# KiCad board FetsAndCrosses.kicad_pcb
title: Fets and Crosses; date: 2022-02-07; rev: v1.1; company: Philipp Schilk; note: Tic-Tac-Toe implementation from discrete-transistor CMOS logic; note: https://github.com/TheSchilk/Fets_and_Crosses
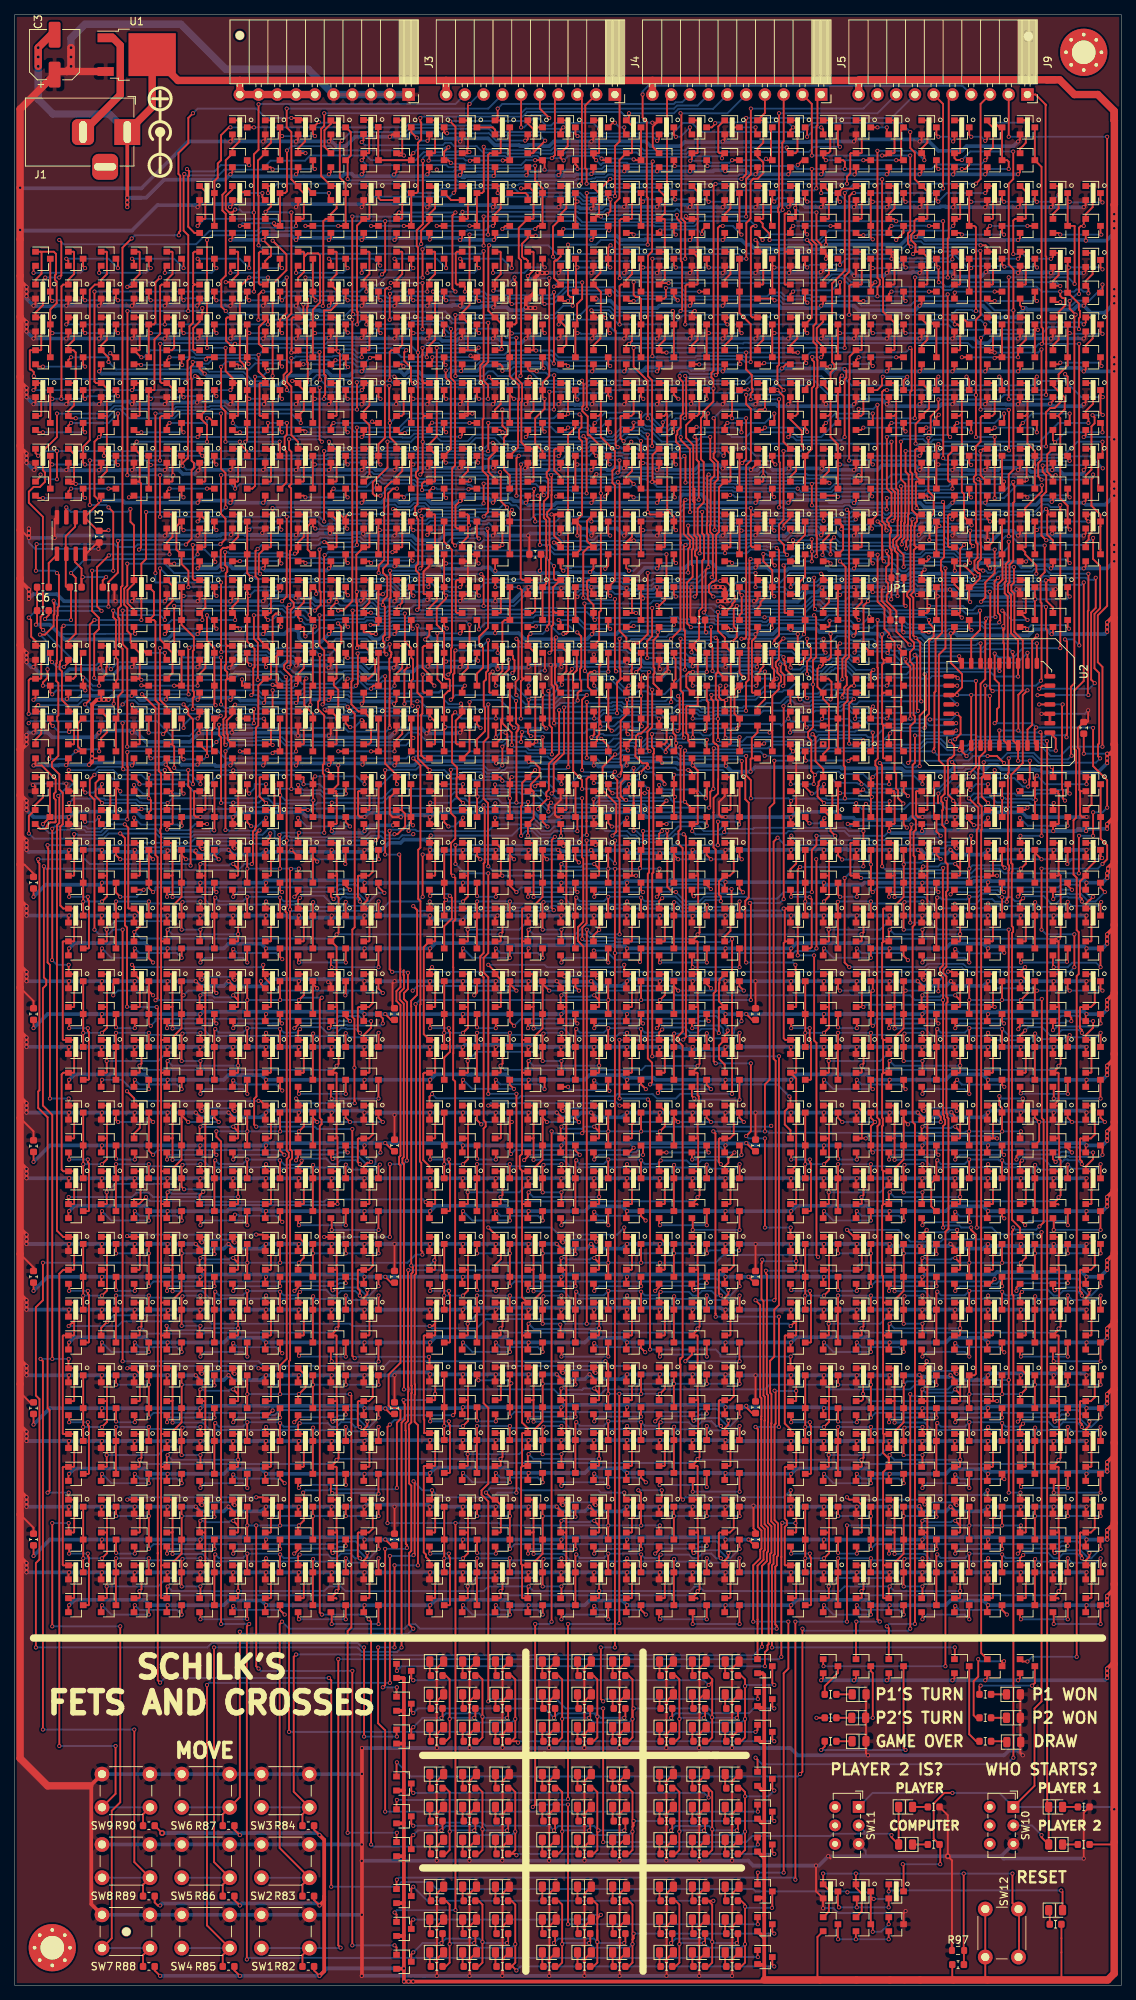
[diagram p0: board, top side]
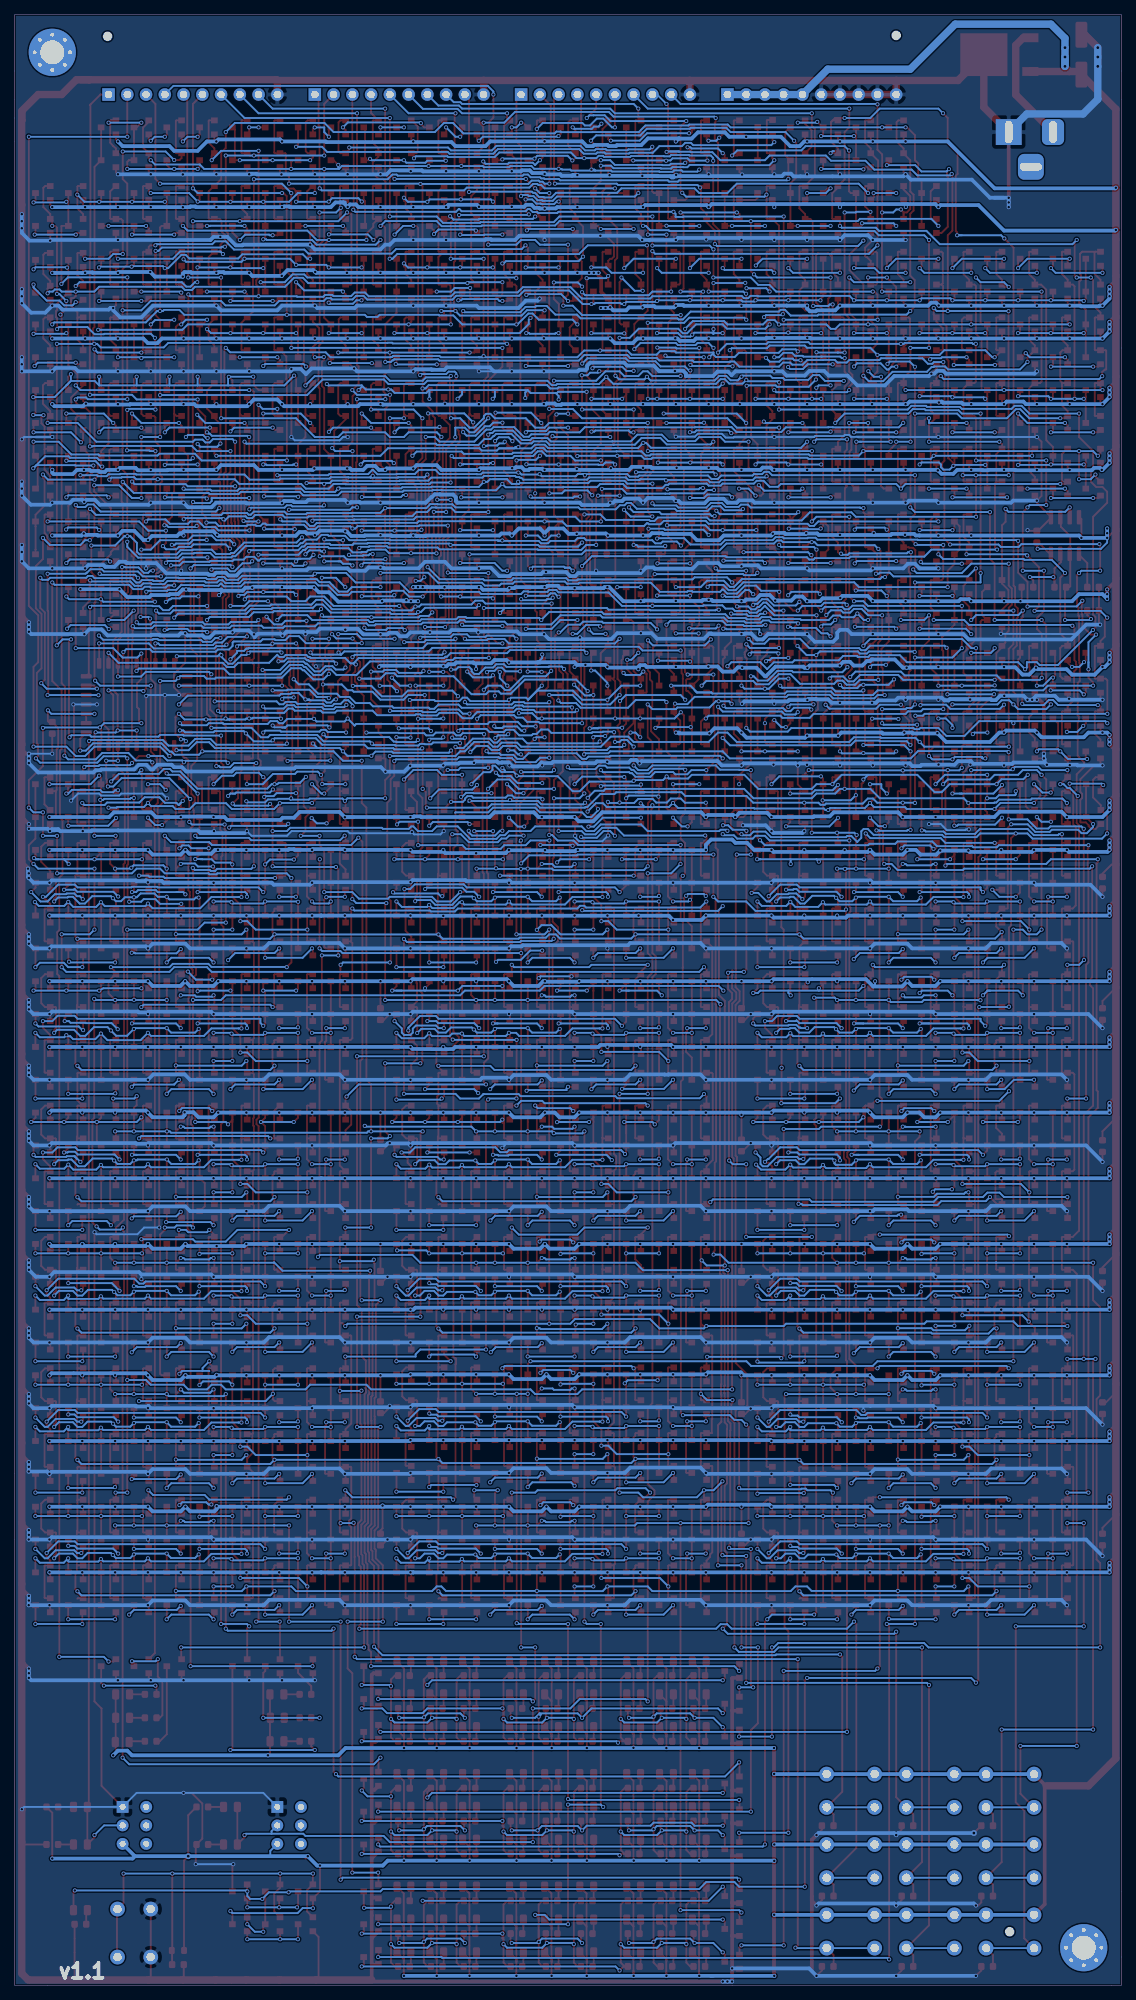
[diagram p1: board, bottom side, seen from below]

Outline 149.86 x 266.7 mm; copper layers: Top, Bottom. Coordinates in mm from the lower left corner of the outline.
Outline path: 0,266.7 0,0 149.86,0 149.86,266.7 0,266.7

## Placement (name value [footprint] x y rotation side)
C1  0u1  [C_0603_1608Metric_NOLBL]  127.76 2.79 180 top
C3  10u  [CP_Elec_6.3x7.7]  5.4 261.3 90 top
C5  0u1  [C_0603_1608Metric_NOLBL]  144.78 170.18 270 top
C6  10n  [C_0603_1608Metric]  3.81 189.23 180 top
C7  0u1  [C_0603_1608Metric_NOLBL]  11.43 196.06 90 top
C8  0u1  [C_0603_1608Metric_NOLBL]  3.81 186.06 180 top
C9  0u1  [C_0603_1608Metric_NOLBL]  100.33 113.66 270 top
C10  0u1  [C_0603_1608Metric_NOLBL]  2.54 131.44 270 top
C11  0u1  [C_0603_1608Metric_NOLBL]  2.54 95.88 270 top
C12  0u1  [C_0603_1608Metric_NOLBL]  51.44 131.44 270 top
C13  0u1  [C_0603_1608Metric_NOLBL]  2.54 113.57 270 top
C14  0u1  [C_0603_1608Metric_NOLBL]  51.44 78.1 270 top
C15  0u1  [C_0603_1608Metric_NOLBL]  51.44 113.66 270 top
C16  0u1  [C_0603_1608Metric_NOLBL]  51.44 95.88 270 top
C17  0u1  [C_0603_1608Metric_NOLBL]  2.54 78.1 270 top
C18  0u1  [C_0603_1608Metric_NOLBL]  100.33 60.32 270 top
C19  0u1  [C_0603_1608Metric_NOLBL]  51.44 60.32 270 top
C20  0u1  [C_0603_1608Metric_NOLBL]  2.54 60.32 270 top
C21  0u1  [C_0603_1608Metric_NOLBL]  92.71 184.78 0 top
C22  0u1  [C_0603_1608Metric_NOLBL]  70.48 193.67 0 top
C24  0u1  [C_0603_1608Metric_NOLBL]  119.38 184.78 0 top
C26  0u1  [C_0603_1608Metric_NOLBL]  2.54 149.22 270 top
C27  0u1  [C_0603_1608Metric_NOLBL]  100.33 95.88 270 top
C28  0u1  [C_0603_1608Metric_NOLBL]  100.33 78.23 270 top
C30  0u1  [C_0603_1608Metric_NOLBL]  100.33 131.44 270 top
D1  RED  [D_0805_2012Metric_NOLBL]  57.15 43.81 0 top
D2  GREEN  [D_0805_2012Metric_NOLBL]  57.15 39.37 0 top
D3  RED  [D_0805_2012Metric_NOLBL]  57.15 34.92 0 top
D4  GREEN  [D_0805_2012Metric_NOLBL]  61.59 43.81 0 top
D5  RED  [D_0805_2012Metric_NOLBL]  61.59 39.37 0 top
D6  GREEN  [D_0805_2012Metric_NOLBL]  61.59 34.92 0 top
D7  RED  [D_0805_2012Metric_NOLBL]  66.04 43.81 0 top
D8  GREEN  [D_0805_2012Metric_NOLBL]  66.04 39.37 0 top
D9  RED  [D_0805_2012Metric_NOLBL]  66.04 34.92 0 top
D10  RED  [D_0805_2012Metric_NOLBL]  72.39 43.81 0 top
D11  GREEN  [D_0805_2012Metric_NOLBL]  72.39 39.37 0 top
D12  RED  [D_0805_2012Metric_NOLBL]  72.39 34.92 0 top
D13  GREEN  [D_0805_2012Metric_NOLBL]  77.15 43.81 0 top
D14  RED  [D_0805_2012Metric_NOLBL]  77.15 39.37 0 top
D15  GREEN  [D_0805_2012Metric_NOLBL]  77.15 34.92 0 top
D16  RED  [D_0805_2012Metric_NOLBL]  81.92 43.81 0 top
D17  GREEN  [D_0805_2012Metric_NOLBL]  81.92 39.37 0 top
D18  RED  [D_0805_2012Metric_NOLBL]  81.92 34.92 0 top
D19  RED  [D_0805_2012Metric_NOLBL]  88.27 43.81 0 top
D20  GREEN  [D_0805_2012Metric_NOLBL]  88.27 39.37 0 top
D21  RED  [D_0805_2012Metric_NOLBL]  88.27 34.92 0 top
D22  GREEN  [D_0805_2012Metric_NOLBL]  92.71 43.81 0 top
D23  RED  [D_0805_2012Metric_NOLBL]  92.71 39.37 0 top
D24  GREEN  [D_0805_2012Metric_NOLBL]  92.71 34.92 0 top
D25  RED  [D_0805_2012Metric_NOLBL]  97.16 43.81 0 top
D26  GREEN  [D_0805_2012Metric_NOLBL]  97.16 39.37 0 top
D27  RED  [D_0805_2012Metric_NOLBL]  97.16 34.92 0 top
D28  RED  [D_0805_2012Metric_NOLBL]  57.15 28.57 0 top
D29  GREEN  [D_0805_2012Metric_NOLBL]  57.15 24.13 0 top
D30  RED  [D_0805_2012Metric_NOLBL]  57.15 19.68 0 top
D31  GREEN  [D_0805_2012Metric_NOLBL]  61.59 28.57 0 top
D32  RED  [D_0805_2012Metric_NOLBL]  61.59 24.13 0 top
D33  GREEN  [D_0805_2012Metric_NOLBL]  61.59 19.68 0 top
D34  RED  [D_0805_2012Metric_NOLBL]  66.04 28.57 0 top
D35  GREEN  [D_0805_2012Metric_NOLBL]  66.04 24.13 0 top
D36  RED  [D_0805_2012Metric_NOLBL]  66.04 19.68 0 top
D37  RED  [D_0805_2012Metric_NOLBL]  72.39 28.57 0 top
D38  GREEN  [D_0805_2012Metric_NOLBL]  72.39 24.13 0 top
D39  RED  [D_0805_2012Metric_NOLBL]  72.39 19.68 0 top
D40  GREEN  [D_0805_2012Metric_NOLBL]  77.15 28.57 0 top
D41  RED  [D_0805_2012Metric_NOLBL]  77.15 24.13 0 top
D42  GREEN  [D_0805_2012Metric_NOLBL]  77.15 19.68 0 top
D43  RED  [D_0805_2012Metric_NOLBL]  81.92 28.57 0 top
D44  GREEN  [D_0805_2012Metric_NOLBL]  81.92 24.13 0 top
D45  RED  [D_0805_2012Metric_NOLBL]  81.92 19.68 0 top
D46  RED  [D_0805_2012Metric_NOLBL]  88.27 28.57 0 top
D47  GREEN  [D_0805_2012Metric_NOLBL]  88.27 24.13 0 top
D48  RED  [D_0805_2012Metric_NOLBL]  88.27 19.68 0 top
D49  GREEN  [D_0805_2012Metric_NOLBL]  92.71 28.57 0 top
D50  RED  [D_0805_2012Metric_NOLBL]  92.71 24.13 0 top
D51  GREEN  [D_0805_2012Metric_NOLBL]  92.71 19.68 0 top
D52  RED  [D_0805_2012Metric_NOLBL]  97.16 28.57 0 top
D53  GREEN  [D_0805_2012Metric_NOLBL]  97.16 24.13 0 top
D54  RED  [D_0805_2012Metric_NOLBL]  97.16 19.68 0 top
D55  RED  [D_0805_2012Metric_NOLBL]  57.15 13.33 0 top
D56  GREEN  [D_0805_2012Metric_NOLBL]  57.15 8.89 0 top
D57  RED  [D_0805_2012Metric_NOLBL]  57.15 4.44 0 top
D58  GREEN  [D_0805_2012Metric_NOLBL]  61.59 13.33 0 top
D59  RED  [D_0805_2012Metric_NOLBL]  61.59 8.89 0 top
D60  GREEN  [D_0805_2012Metric_NOLBL]  61.59 4.44 0 top
D61  RED  [D_0805_2012Metric_NOLBL]  66.04 13.33 0 top
D62  GREEN  [D_0805_2012Metric_NOLBL]  66.04 8.89 0 top
D63  RED  [D_0805_2012Metric_NOLBL]  66.04 4.44 0 top
D64  RED  [D_0805_2012Metric_NOLBL]  72.39 13.33 0 top
D65  GREEN  [D_0805_2012Metric_NOLBL]  72.39 8.89 0 top
D66  RED  [D_0805_2012Metric_NOLBL]  72.39 4.44 0 top
D67  GREEN  [D_0805_2012Metric_NOLBL]  77.15 13.33 0 top
D68  RED  [D_0805_2012Metric_NOLBL]  77.15 8.89 0 top
D69  GREEN  [D_0805_2012Metric_NOLBL]  77.15 4.44 0 top
D70  RED  [D_0805_2012Metric_NOLBL]  81.92 13.33 0 top
D71  GREEN  [D_0805_2012Metric_NOLBL]  81.92 8.89 0 top
D72  RED  [D_0805_2012Metric_NOLBL]  81.92 4.44 0 top
D73  RED  [D_0805_2012Metric_NOLBL]  88.27 13.33 0 top
D74  GREEN  [D_0805_2012Metric_NOLBL]  88.27 8.89 0 top
D75  RED  [D_0805_2012Metric_NOLBL]  88.27 4.44 0 top
D76  GREEN  [D_0805_2012Metric_NOLBL]  92.71 13.33 0 top
D77  RED  [D_0805_2012Metric_NOLBL]  92.71 8.89 0 top
D78  GREEN  [D_0805_2012Metric_NOLBL]  92.71 4.44 0 top
D79  RED  [D_0805_2012Metric_NOLBL]  97.16 13.33 0 top
D80  GREEN  [D_0805_2012Metric_NOLBL]  97.16 8.89 0 top
D81  RED  [D_0805_2012Metric_NOLBL]  97.16 4.44 0 top
D82  GREEN  [D_0805_2012Metric_NOLBL]  140.97 24.13 0 top
D83  RED  [D_0805_2012Metric_NOLBL]  140.97 19.05 180 top
D84  GREEN  [D_0805_2012Metric_NOLBL]  120.65 24.13 0 top
D85  RED  [D_0805_2012Metric_NOLBL]  120.65 19.05 180 top
D86  RED  [D_0805_2012Metric_NOLBL]  140.97 10.16 0 top
D89  RED  [D_0805_2012Metric_NOLBL]  114.35 33.02 0 top
D92  GREEN  [D_0805_2012Metric_NOLBL]  135.25 39.37 0 top
D93  RED  [D_0805_2012Metric_NOLBL]  135.25 36.19 0 top
D94  RED  [D_0805_2012Metric_NOLBL]  135.3 32.91 0 top
D95  GREEN  [D_0805_2012Metric_NOLBL]  114.36 39.37 0 top
D96  RED  [D_0805_2012Metric_NOLBL]  114.3 36.19 0 top
G1  BarrelPolarity_CenterNeg  [BarrelPolarity_3mm_CenterNeg]  19.68 250.82 270 top
H1  MountingHole  [MountingHole_3.2mm_M3_Pad_Via]  5.08 5.08 0 top
H2  MountingHole  [MountingHole_3.2mm_M3_Pad_Via]  144.78 261.62 0 top
H3  ToolingHole  [jlcpcb_tooling_hole]  30.48 263.91 0 top
H4  ToolingHole  [jlcpcb_tooling_hole]  15.11 7.24 0 top
H5  ToolingHole  [jlcpcb_tooling_hole]  137.29 263.78 0 top
J1  9Vdc  [BarrelJack_Horizontal]  15.24 250.82 0 top
J3  Power  [PinSocket_1x10_P2.54mm_Horizontal]  53.34 255.9 270 top
J4  P1  [PinSocket_1x10_P2.54mm_Horizontal]  81.28 255.9 270 top
J5  P2  [PinSocket_1x10_P2.54mm_Horizontal]  109.22 255.9 270 top
J9  Move  [PinSocket_1x10_P2.54mm_Horizontal]  137.16 255.9 270 top
JP1  Jumper_NC_Small  [R_0603_1608Metric#2]  119.57 190.5 180 top
Q1  BSS84  [SOT-23-P]  52.66 162.56 0 top
Q2  2N7002  [SOT-23-N]  52.66 158.11 0 top
Q3  BSS84  [SOT-23-P]  17.16 100.33 0 top
Q4  2N7002  [SOT-23-N]  17.16 95.88 0 top
Q5  BSS84  [SOT-23-P]  12.7 91.44 0 top
Q6  BSS84  [SOT-23-P]  17.14 91.44 0 top
Q7  2N7002  [SOT-23-N]  12.7 86.99 0 top
Q8  2N7002  [SOT-23-N]  17.14 86.99 0 top
Q9  2N7002  [SOT-23-N]  21.59 86.99 0 top
Q10  BSS84  [SOT-23-P]  21.59 91.44 0 top
Q11  BSS84  [SOT-23-P]  30.48 100.33 0 top
Q12  2N7002  [SOT-23-N]  30.48 95.88 0 top
Q13  2N7002  [SOT-23-N]  34.92 95.88 0 top
Q14  BSS84  [SOT-23-P]  34.92 100.33 0 top
Q15  BSS84  [SOT-23-P]  26.04 91.44 0 top
Q16  BSS84  [SOT-23-P]  30.48 91.44 0 top
Q17  2N7002  [SOT-23-N]  26.04 86.99 0 top
Q18  2N7002  [SOT-23-N]  30.48 86.99 0 top
Q19  2N7002  [SOT-23-N]  34.92 86.99 0 top
Q20  BSS84  [SOT-23-P]  34.92 91.44 0 top
Q21  BSS84  [SOT-23-P]  39.37 91.44 0 top
Q22  BSS84  [SOT-23-P]  43.81 91.44 0 top
Q23  2N7002  [SOT-23-N]  39.37 86.99 0 top
Q24  2N7002  [SOT-23-N]  43.81 86.99 0 top
Q25  2N7002  [SOT-23-N]  48.26 86.99 0 top
Q26  BSS84  [SOT-23-P]  48.26 91.44 0 top
Q27  BSS84  [SOT-23-P]  39.37 100.33 0 top
Q28  BSS84  [SOT-23-P]  43.81 100.33 0 top
Q29  2N7002  [SOT-23-N]  39.37 95.88 0 top
Q30  2N7002  [SOT-23-N]  43.81 95.88 0 top
Q31  2N7002  [SOT-23-N]  48.26 95.88 0 top
Q32  BSS84  [SOT-23-P]  48.26 100.33 0 top
Q33  BSS84  [SOT-23-P]  21.59 100.33 0 top
Q34  2N7002  [SOT-23-N]  21.59 95.88 0 top
Q35  2N7002  [SOT-23-N]  26.04 95.88 0 top
Q36  BSS84  [SOT-23-P]  26.04 100.33 0 top
Q37  2N7002  [SOT-23-N]  12.72 95.88 0 top
Q38  BSS84  [SOT-23-P]  12.72 100.33 0 top
Q39  BSS84  [SOT-23-P]  8.27 100.33 0 top
Q40  2N7002  [SOT-23-N]  8.27 95.88 0 top
Q41  2N7002  [SOT-23-N]  8.27 86.99 0 top
Q42  BSS84  [SOT-23-P]  8.27 91.44 0 top
Q43  BSS84  [SOT-23-P]  66.06 100.33 0 top
Q44  2N7002  [SOT-23-N]  66.06 95.88 0 top
Q45  2N7002  [SOT-23-N]  61.61 95.88 0 top
Q46  BSS84  [SOT-23-P]  61.61 100.33 0 top
Q47  BSS84  [SOT-23-P]  61.59 91.44 0 top
Q48  BSS84  [SOT-23-P]  66.04 91.44 0 top
Q49  2N7002  [SOT-23-N]  61.59 86.99 0 top
Q50  2N7002  [SOT-23-N]  66.04 86.99 0 top
Q51  2N7002  [SOT-23-N]  70.48 86.99 0 top
Q52  BSS84  [SOT-23-P]  70.48 91.44 0 top
Q53  BSS84  [SOT-23-P]  79.38 100.33 0 top
Q54  2N7002  [SOT-23-N]  79.38 95.88 0 top
Q55  2N7002  [SOT-23-N]  83.82 95.88 0 top
Q56  BSS84  [SOT-23-P]  83.82 100.33 0 top
Q57  BSS84  [SOT-23-P]  74.93 91.44 0 top
Q58  BSS84  [SOT-23-P]  79.38 91.44 0 top
Q59  2N7002  [SOT-23-N]  74.93 86.99 0 top
Q60  2N7002  [SOT-23-N]  79.38 86.99 0 top
Q61  2N7002  [SOT-23-N]  83.82 86.99 0 top
Q62  BSS84  [SOT-23-P]  83.82 91.44 0 top
Q63  BSS84  [SOT-23-P]  88.27 91.44 0 top
Q64  BSS84  [SOT-23-P]  92.71 91.44 0 top
Q65  2N7002  [SOT-23-N]  88.27 86.99 0 top
Q66  2N7002  [SOT-23-N]  92.71 86.99 0 top
Q67  2N7002  [SOT-23-N]  97.16 86.99 0 top
Q68  BSS84  [SOT-23-P]  97.16 91.44 0 top
Q69  BSS84  [SOT-23-P]  88.27 100.33 0 top
Q70  BSS84  [SOT-23-P]  92.71 100.33 0 top
Q71  2N7002  [SOT-23-N]  88.27 95.88 0 top
Q72  2N7002  [SOT-23-N]  92.71 95.88 0 top
Q73  2N7002  [SOT-23-N]  97.16 95.88 0 top
Q74  BSS84  [SOT-23-P]  97.16 100.33 0 top
Q75  BSS84  [SOT-23-P]  70.48 100.33 0 top
Q76  2N7002  [SOT-23-N]  70.48 95.88 0 top
Q77  2N7002  [SOT-23-N]  74.93 95.88 0 top
Q78  BSS84  [SOT-23-P]  74.93 100.33 0 top
Q79  BSS84  [SOT-23-P]  57.17 100.33 0 top
Q80  2N7002  [SOT-23-N]  57.17 95.88 0 top
Q81  2N7002  [SOT-23-N]  57.17 86.99 0 top
Q82  BSS84  [SOT-23-P]  57.17 91.44 0 top
Q83  BSS84  [SOT-23-P]  114.95 100.33 0 top
Q84  2N7002  [SOT-23-N]  114.95 95.88 0 top
Q85  2N7002  [SOT-23-N]  110.51 95.88 0 top
Q86  BSS84  [SOT-23-P]  110.51 100.33 0 top
Q87  BSS84  [SOT-23-P]  106.06 100.33 0 top
Q88  2N7002  [SOT-23-N]  106.06 95.88 0 top
Q89  BSS84  [SOT-23-P]  110.49 91.44 0 top
Q90  BSS84  [SOT-23-P]  114.94 91.44 0 top
Q91  2N7002  [SOT-23-N]  110.49 86.99 0 top
Q92  2N7002  [SOT-23-N]  114.94 86.99 0 top
Q93  2N7002  [SOT-23-N]  119.38 86.99 0 top
Q94  BSS84  [SOT-23-P]  119.38 91.44 0 top
Q95  BSS84  [SOT-23-P]  128.27 100.33 0 top
Q96  2N7002  [SOT-23-N]  128.27 95.88 0 top
Q97  2N7002  [SOT-23-N]  132.72 95.88 0 top
Q98  BSS84  [SOT-23-P]  132.72 100.33 0 top
Q99  BSS84  [SOT-23-P]  123.83 91.44 0 top
Q100  BSS84  [SOT-23-P]  128.27 91.44 0 top
Q101  2N7002  [SOT-23-N]  123.83 86.99 0 top
Q102  2N7002  [SOT-23-N]  128.27 86.99 0 top
Q103  2N7002  [SOT-23-N]  132.72 86.99 0 top
Q104  BSS84  [SOT-23-P]  132.72 91.44 0 top
Q105  BSS84  [SOT-23-P]  137.16 91.44 0 top
Q106  BSS84  [SOT-23-P]  141.6 91.44 0 top
Q107  2N7002  [SOT-23-N]  137.16 86.99 0 top
Q108  2N7002  [SOT-23-N]  141.6 86.99 0 top
Q109  2N7002  [SOT-23-N]  146.05 86.99 0 top
Q110  BSS84  [SOT-23-P]  146.05 91.44 0 top
Q111  BSS84  [SOT-23-P]  137.16 100.33 0 top
Q112  BSS84  [SOT-23-P]  141.6 100.33 0 top
Q113  2N7002  [SOT-23-N]  137.16 95.88 0 top
Q114  2N7002  [SOT-23-N]  141.6 95.88 0 top
Q115  2N7002  [SOT-23-N]  146.05 95.88 0 top
Q116  BSS84  [SOT-23-P]  146.05 100.33 0 top
Q117  BSS84  [SOT-23-P]  119.38 100.33 0 top
Q118  2N7002  [SOT-23-N]  119.38 95.88 0 top
Q119  2N7002  [SOT-23-N]  123.83 95.88 0 top
Q120  BSS84  [SOT-23-P]  123.83 100.33 0 top
Q121  2N7002  [SOT-23-N]  106.06 86.99 0 top
Q122  BSS84  [SOT-23-P]  106.06 91.44 0 top
Q123  BSS84  [SOT-23-P]  17.16 82.55 0 top
Q124  2N7002  [SOT-23-N]  17.16 78.1 0 top
Q125  2N7002  [SOT-23-N]  12.72 78.1 0 top
Q126  BSS84  [SOT-23-P]  12.72 82.55 0 top
Q127  BSS84  [SOT-23-P]  8.27 82.55 0 top
Q128  2N7002  [SOT-23-N]  8.27 78.1 0 top
Q129  2N7002  [SOT-23-N]  8.27 69.21 0 top
Q130  BSS84  [SOT-23-P]  8.27 73.66 0 top
Q131  BSS84  [SOT-23-P]  12.7 73.66 0 top
Q132  BSS84  [SOT-23-P]  17.14 73.66 0 top
Q133  2N7002  [SOT-23-N]  12.7 69.21 0 top
Q134  2N7002  [SOT-23-N]  17.14 69.21 0 top
Q135  2N7002  [SOT-23-N]  21.59 69.21 0 top
Q136  BSS84  [SOT-23-P]  21.59 73.66 0 top
Q137  BSS84  [SOT-23-P]  30.48 82.55 0 top
Q138  2N7002  [SOT-23-N]  30.48 78.1 0 top
Q139  2N7002  [SOT-23-N]  34.92 78.1 0 top
Q140  BSS84  [SOT-23-P]  34.92 82.55 0 top
Q141  BSS84  [SOT-23-P]  26.04 73.66 0 top
Q142  BSS84  [SOT-23-P]  30.48 73.66 0 top
Q143  2N7002  [SOT-23-N]  26.04 69.21 0 top
Q144  2N7002  [SOT-23-N]  30.48 69.21 0 top
Q145  2N7002  [SOT-23-N]  34.92 69.21 0 top
Q146  BSS84  [SOT-23-P]  34.92 73.66 0 top
Q147  BSS84  [SOT-23-P]  39.37 73.66 0 top
Q148  BSS84  [SOT-23-P]  43.81 73.66 0 top
Q149  2N7002  [SOT-23-N]  39.37 69.21 0 top
Q150  2N7002  [SOT-23-N]  43.81 69.21 0 top
Q151  2N7002  [SOT-23-N]  48.26 69.21 0 top
Q152  BSS84  [SOT-23-P]  48.26 73.66 0 top
Q153  BSS84  [SOT-23-P]  39.37 82.55 0 top
Q154  BSS84  [SOT-23-P]  43.81 82.55 0 top
Q155  2N7002  [SOT-23-N]  39.37 78.1 0 top
Q156  2N7002  [SOT-23-N]  43.81 78.1 0 top
Q157  2N7002  [SOT-23-N]  48.26 78.1 0 top
Q158  BSS84  [SOT-23-P]  48.26 82.55 0 top
Q159  BSS84  [SOT-23-P]  21.59 82.55 0 top
Q160  2N7002  [SOT-23-N]  21.59 78.1 0 top
Q161  2N7002  [SOT-23-N]  26.04 78.1 0 top
Q162  BSS84  [SOT-23-P]  26.04 82.55 0 top
Q163  BSS84  [SOT-23-P]  66.06 82.67 0 top
Q164  2N7002  [SOT-23-N]  66.06 78.23 0 top
Q165  2N7002  [SOT-23-N]  61.61 78.23 0 top
Q166  BSS84  [SOT-23-P]  61.61 82.67 0 top
Q167  BSS84  [SOT-23-P]  57.17 82.67 0 top
Q168  2N7002  [SOT-23-N]  57.17 78.23 0 top
Q169  2N7002  [SOT-23-N]  57.17 69.34 0 top
Q170  BSS84  [SOT-23-P]  57.17 73.78 0 top
Q171  BSS84  [SOT-23-P]  114.95 82.55 0 top
Q172  2N7002  [SOT-23-N]  114.95 78.1 0 top
Q173  BSS84  [SOT-23-P]  61.59 73.78 0 top
Q174  BSS84  [SOT-23-P]  66.04 73.78 0 top
Q175  2N7002  [SOT-23-N]  61.59 69.34 0 top
Q176  2N7002  [SOT-23-N]  66.04 69.34 0 top
Q177  2N7002  [SOT-23-N]  70.48 69.34 0 top
Q178  BSS84  [SOT-23-P]  70.48 73.78 0 top
Q179  BSS84  [SOT-23-P]  79.38 82.67 0 top
Q180  2N7002  [SOT-23-N]  79.38 78.23 0 top
Q181  2N7002  [SOT-23-N]  83.82 78.23 0 top
Q182  BSS84  [SOT-23-P]  83.82 82.67 0 top
Q183  BSS84  [SOT-23-P]  74.93 73.78 0 top
Q184  BSS84  [SOT-23-P]  79.38 73.78 0 top
Q185  2N7002  [SOT-23-N]  74.93 69.34 0 top
Q186  2N7002  [SOT-23-N]  79.38 69.34 0 top
Q187  2N7002  [SOT-23-N]  83.82 69.34 0 top
Q188  BSS84  [SOT-23-P]  83.82 73.78 0 top
Q189  BSS84  [SOT-23-P]  88.27 73.78 0 top
Q190  BSS84  [SOT-23-P]  92.71 73.78 0 top
Q191  2N7002  [SOT-23-N]  88.27 69.34 0 top
Q192  2N7002  [SOT-23-N]  92.71 69.34 0 top
Q193  2N7002  [SOT-23-N]  97.16 69.34 0 top
Q194  BSS84  [SOT-23-P]  97.16 73.78 0 top
Q195  BSS84  [SOT-23-P]  88.27 82.67 0 top
Q196  BSS84  [SOT-23-P]  92.71 82.67 0 top
Q197  2N7002  [SOT-23-N]  88.27 78.23 0 top
Q198  2N7002  [SOT-23-N]  92.71 78.23 0 top
Q199  2N7002  [SOT-23-N]  97.16 78.23 0 top
Q200  BSS84  [SOT-23-P]  97.16 82.67 0 top
Q201  BSS84  [SOT-23-P]  70.48 82.67 0 top
Q202  2N7002  [SOT-23-N]  70.48 78.23 0 top
Q203  2N7002  [SOT-23-N]  74.93 78.23 0 top
Q204  BSS84  [SOT-23-P]  74.93 82.67 0 top
Q205  2N7002  [SOT-23-N]  110.51 78.1 0 top
Q206  BSS84  [SOT-23-P]  110.51 82.55 0 top
Q207  BSS84  [SOT-23-P]  106.06 82.55 0 top
Q208  2N7002  [SOT-23-N]  106.06 78.1 0 top
Q209  2N7002  [SOT-23-N]  106.06 69.21 0 top
Q210  BSS84  [SOT-23-P]  106.06 73.66 0 top
Q211  BSS84  [SOT-23-P]  17.16 64.77 0 top
Q212  2N7002  [SOT-23-N]  17.16 60.32 0 top
Q213  2N7002  [SOT-23-N]  12.72 60.32 0 top
Q214  BSS84  [SOT-23-P]  12.72 64.77 0 top
Q215  BSS84  [SOT-23-P]  110.49 73.66 0 top
Q216  BSS84  [SOT-23-P]  114.94 73.66 0 top
Q217  2N7002  [SOT-23-N]  110.49 69.21 0 top
Q218  2N7002  [SOT-23-N]  114.94 69.21 0 top
Q219  2N7002  [SOT-23-N]  119.38 69.21 0 top
Q220  BSS84  [SOT-23-P]  119.38 73.66 0 top
Q221  BSS84  [SOT-23-P]  128.27 82.55 0 top
Q222  2N7002  [SOT-23-N]  128.27 78.1 0 top
Q223  2N7002  [SOT-23-N]  132.72 78.1 0 top
Q224  BSS84  [SOT-23-P]  132.72 82.55 0 top
Q225  BSS84  [SOT-23-P]  123.83 73.66 0 top
Q226  BSS84  [SOT-23-P]  128.27 73.66 0 top
Q227  2N7002  [SOT-23-N]  123.83 69.21 0 top
Q228  2N7002  [SOT-23-N]  128.27 69.21 0 top
Q229  2N7002  [SOT-23-N]  132.72 69.21 0 top
Q230  BSS84  [SOT-23-P]  132.72 73.66 0 top
Q231  BSS84  [SOT-23-P]  137.16 73.66 0 top
Q232  BSS84  [SOT-23-P]  141.6 73.66 0 top
Q233  2N7002  [SOT-23-N]  137.16 69.21 0 top
Q234  2N7002  [SOT-23-N]  141.6 69.21 0 top
Q235  2N7002  [SOT-23-N]  146.05 69.21 0 top
Q236  BSS84  [SOT-23-P]  146.05 73.66 0 top
Q237  BSS84  [SOT-23-P]  137.16 82.55 0 top
Q238  BSS84  [SOT-23-P]  141.6 82.55 0 top
Q239  2N7002  [SOT-23-N]  137.16 78.1 0 top
Q240  2N7002  [SOT-23-N]  141.6 78.1 0 top
Q241  2N7002  [SOT-23-N]  146.05 78.1 0 top
Q242  BSS84  [SOT-23-P]  146.05 82.55 0 top
Q243  BSS84  [SOT-23-P]  119.38 82.55 0 top
Q244  2N7002  [SOT-23-N]  119.38 78.1 0 top
Q245  2N7002  [SOT-23-N]  123.83 78.1 0 top
Q246  BSS84  [SOT-23-P]  123.83 82.55 0 top
Q247  BSS84  [SOT-23-P]  8.27 64.77 0 top
Q248  2N7002  [SOT-23-N]  8.27 60.32 0 top
Q249  2N7002  [SOT-23-N]  8.27 51.43 0 top
Q250  BSS84  [SOT-23-P]  8.27 55.88 0 top
Q251  BSS84  [SOT-23-P]  66.06 64.77 0 top
Q252  2N7002  [SOT-23-N]  66.06 60.32 0 top
Q253  2N7002  [SOT-23-N]  61.61 60.32 0 top
Q254  BSS84  [SOT-23-P]  61.61 64.77 0 top
Q255  BSS84  [SOT-23-P]  57.17 64.77 0 top
Q256  2N7002  [SOT-23-N]  57.17 60.32 0 top
Q257  BSS84  [SOT-23-P]  12.7 55.88 0 top
Q258  BSS84  [SOT-23-P]  17.14 55.88 0 top
Q259  2N7002  [SOT-23-N]  12.7 51.43 0 top
Q260  2N7002  [SOT-23-N]  17.14 51.43 0 top
Q261  2N7002  [SOT-23-N]  21.59 51.43 0 top
Q262  BSS84  [SOT-23-P]  21.59 55.88 0 top
Q263  BSS84  [SOT-23-P]  30.48 64.77 0 top
Q264  2N7002  [SOT-23-N]  30.48 60.32 0 top
Q265  2N7002  [SOT-23-N]  34.92 60.32 0 top
Q266  BSS84  [SOT-23-P]  34.92 64.77 0 top
Q267  BSS84  [SOT-23-P]  26.04 55.88 0 top
Q268  BSS84  [SOT-23-P]  30.48 55.88 0 top
Q269  2N7002  [SOT-23-N]  26.04 51.43 0 top
Q270  2N7002  [SOT-23-N]  30.48 51.43 0 top
Q271  2N7002  [SOT-23-N]  34.92 51.43 0 top
Q272  BSS84  [SOT-23-P]  34.92 55.88 0 top
Q273  BSS84  [SOT-23-P]  39.37 55.88 0 top
Q274  BSS84  [SOT-23-P]  43.81 55.88 0 top
Q275  2N7002  [SOT-23-N]  39.37 51.43 0 top
Q276  2N7002  [SOT-23-N]  43.81 51.43 0 top
Q277  2N7002  [SOT-23-N]  48.26 51.43 0 top
Q278  BSS84  [SOT-23-P]  48.26 55.88 0 top
Q279  BSS84  [SOT-23-P]  39.37 64.77 0 top
Q280  BSS84  [SOT-23-P]  43.81 64.77 0 top
Q281  2N7002  [SOT-23-N]  39.37 60.32 0 top
Q282  2N7002  [SOT-23-N]  43.81 60.32 0 top
Q283  2N7002  [SOT-23-N]  48.26 60.32 0 top
Q284  BSS84  [SOT-23-P]  48.26 64.77 0 top
Q285  BSS84  [SOT-23-P]  21.59 64.77 0 top
Q286  2N7002  [SOT-23-N]  21.59 60.32 0 top
Q287  2N7002  [SOT-23-N]  26.04 60.32 0 top
Q288  BSS84  [SOT-23-P]  26.04 64.77 0 top
Q289  2N7002  [SOT-23-N]  57.17 51.43 0 top
Q290  BSS84  [SOT-23-P]  57.17 55.88 0 top
Q291  BSS84  [SOT-23-P]  114.95 64.77 0 top
Q292  2N7002  [SOT-23-N]  114.95 60.32 0 top
Q293  2N7002  [SOT-23-N]  110.51 60.32 0 top
Q294  BSS84  [SOT-23-P]  110.51 64.77 0 top
Q295  BSS84  [SOT-23-P]  106.06 64.77 0 top
Q296  2N7002  [SOT-23-N]  106.06 60.32 0 top
Q297  2N7002  [SOT-23-N]  106.06 51.43 0 top
Q298  BSS84  [SOT-23-P]  106.06 55.88 0 top
Q299  BSS84  [SOT-23-P]  61.59 55.88 0 top
Q300  BSS84  [SOT-23-P]  66.04 55.88 0 top
Q301  2N7002  [SOT-23-N]  61.59 51.43 0 top
Q302  2N7002  [SOT-23-N]  66.04 51.43 0 top